# Altium PCB openmv-stm32n.PcbDoc (part 1 of 5) (continued)
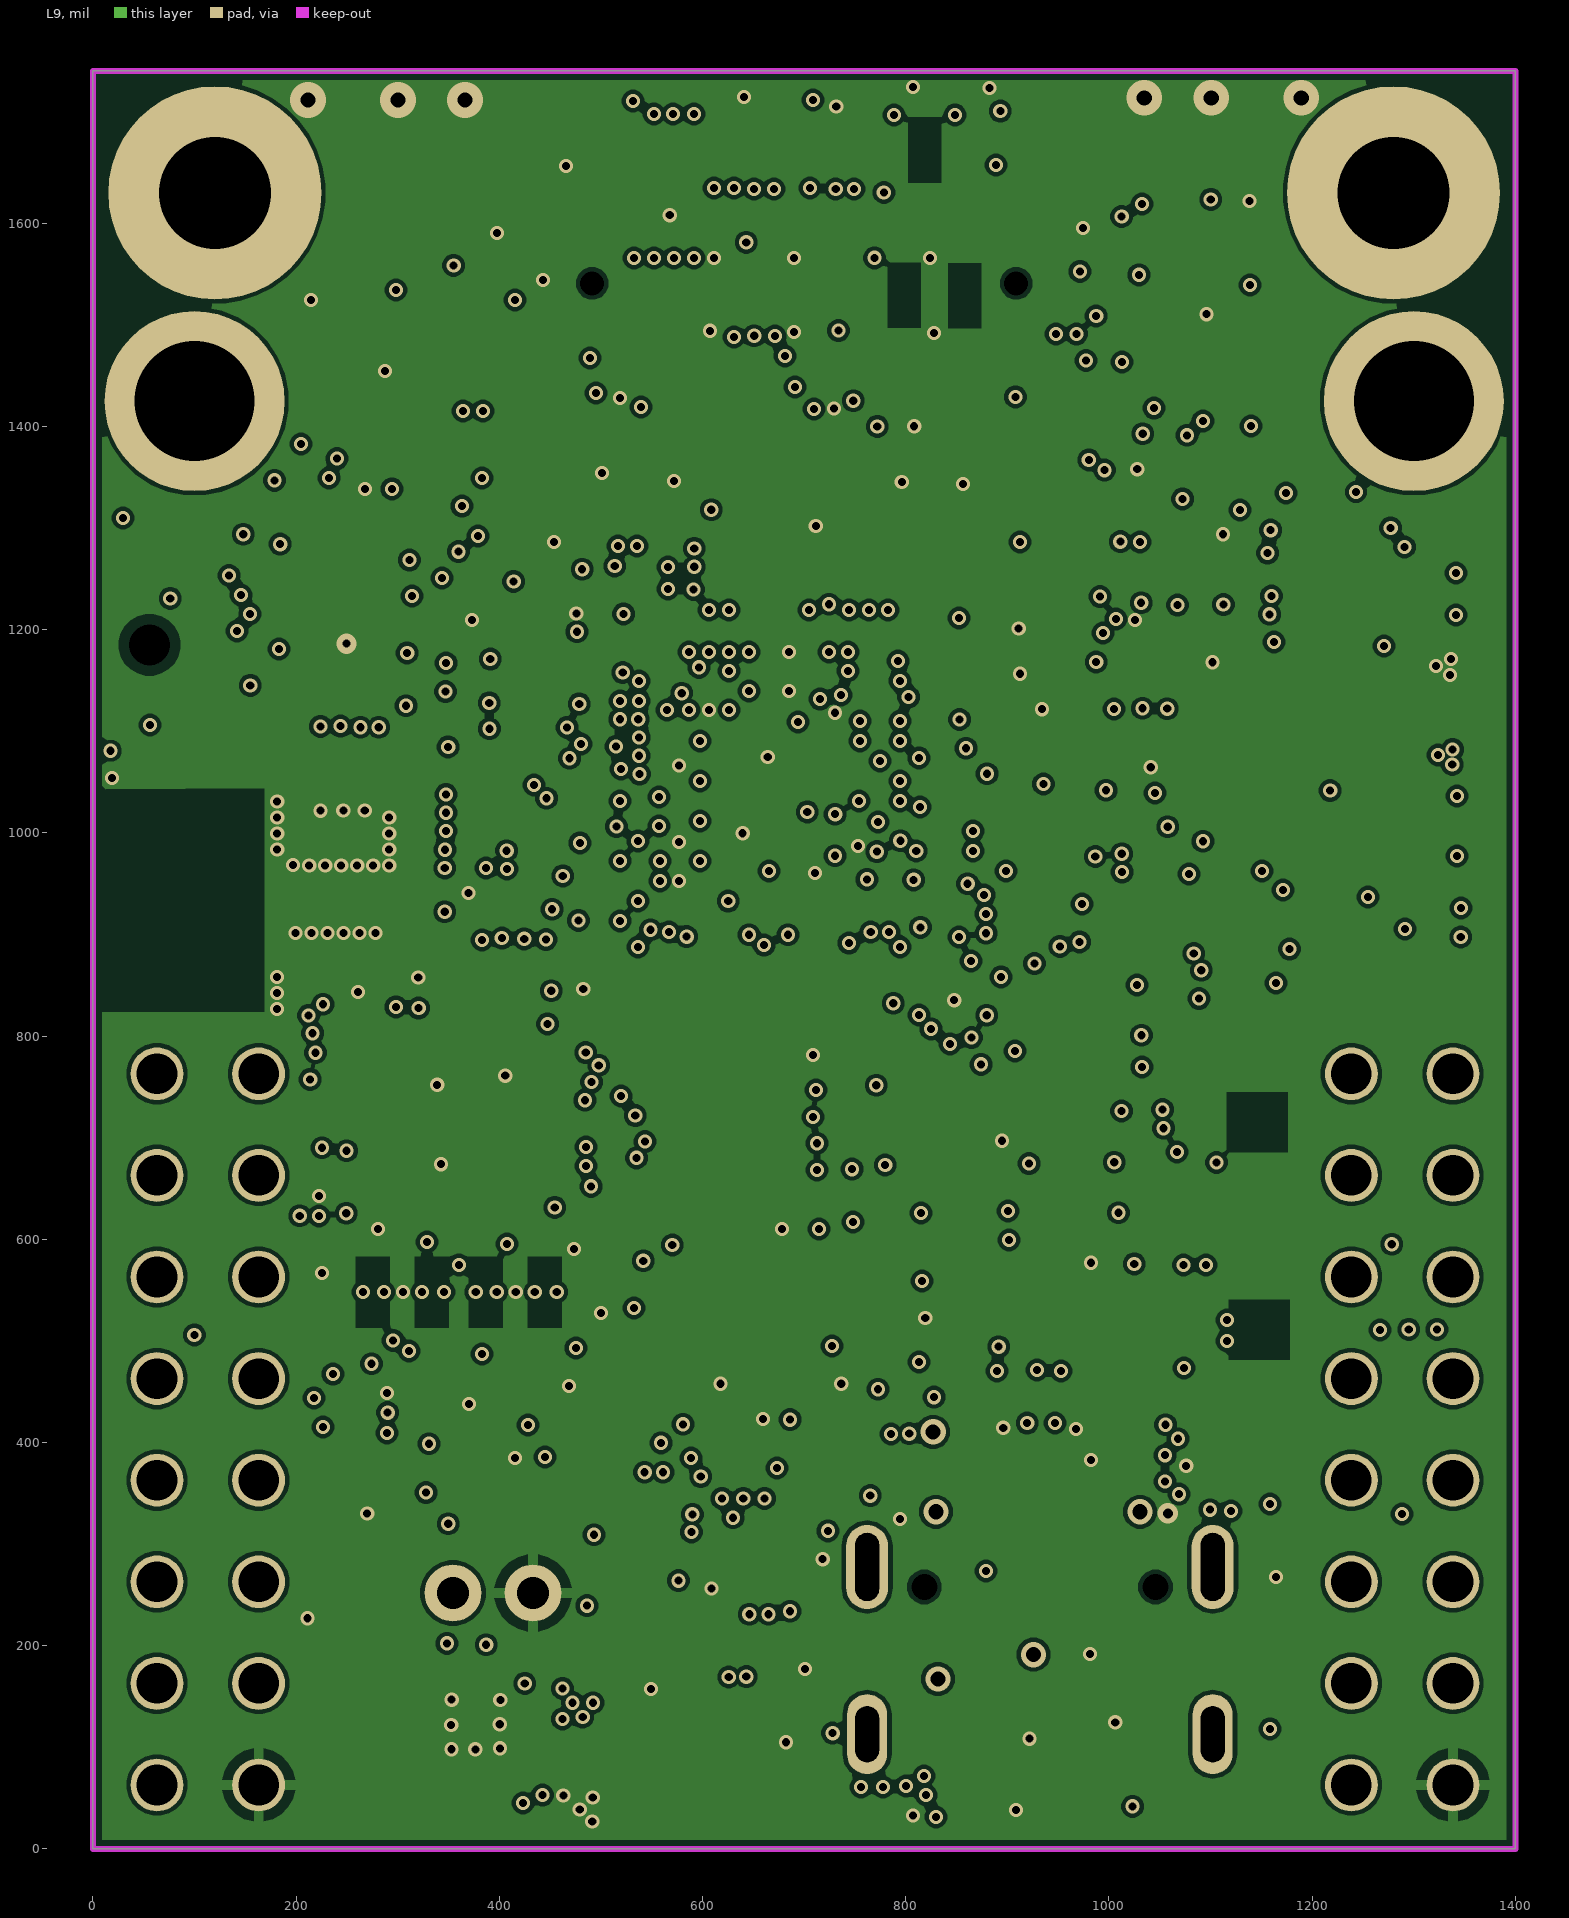
[diagram p9: L9]
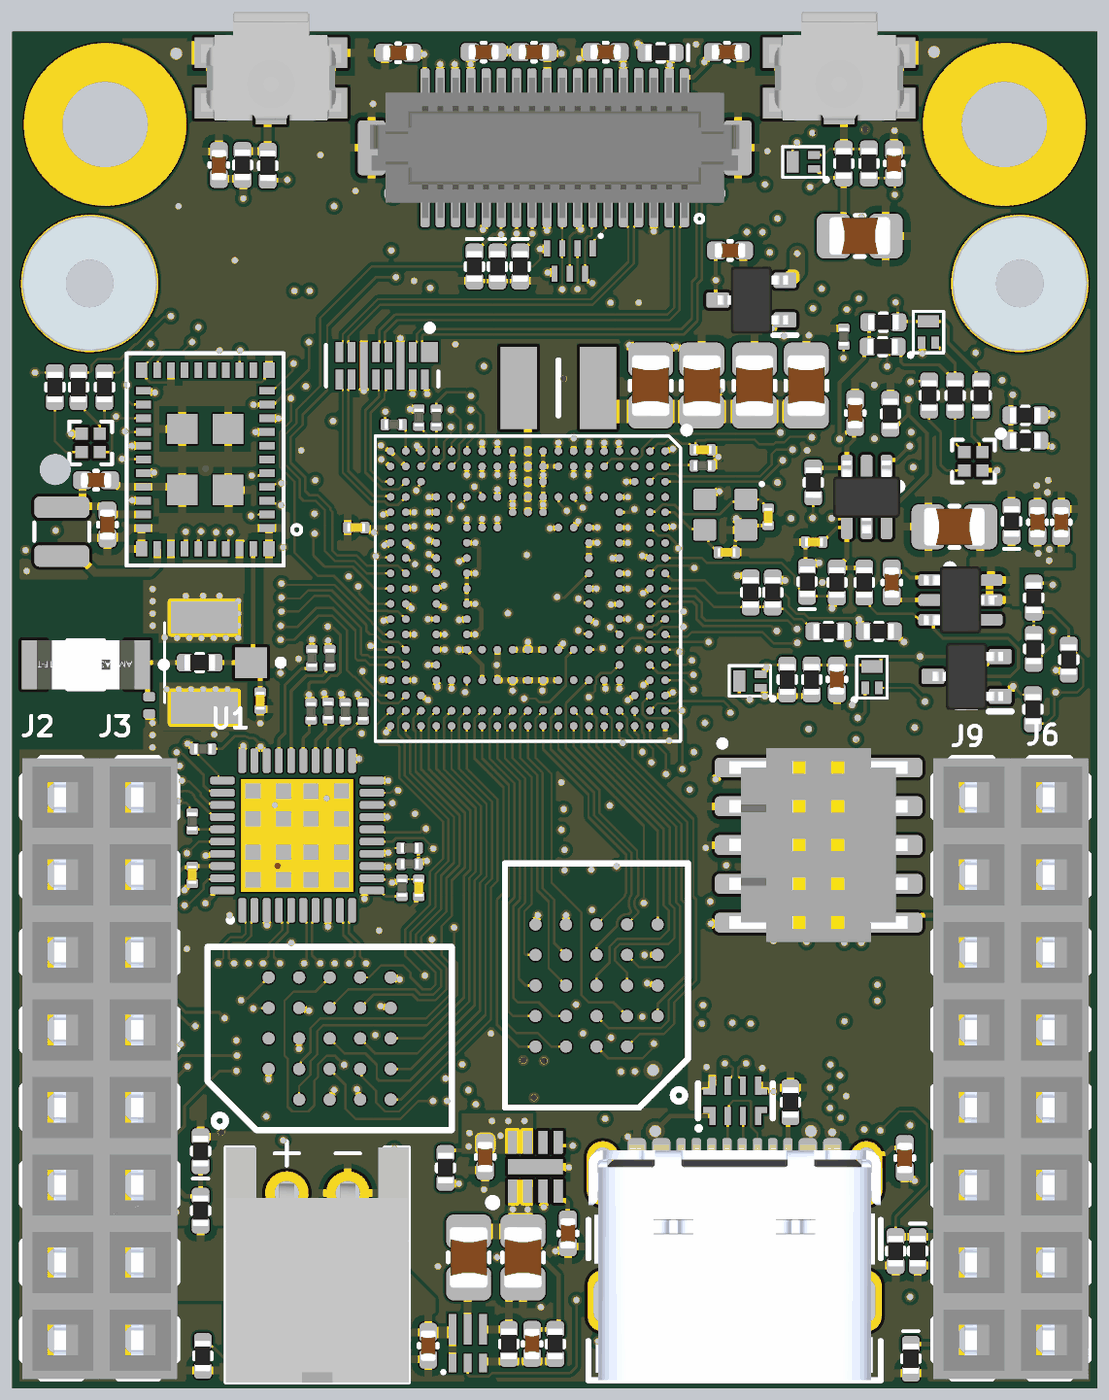
[diagram p14: 3D render of the assembled board from above, using the file's embedded part models]
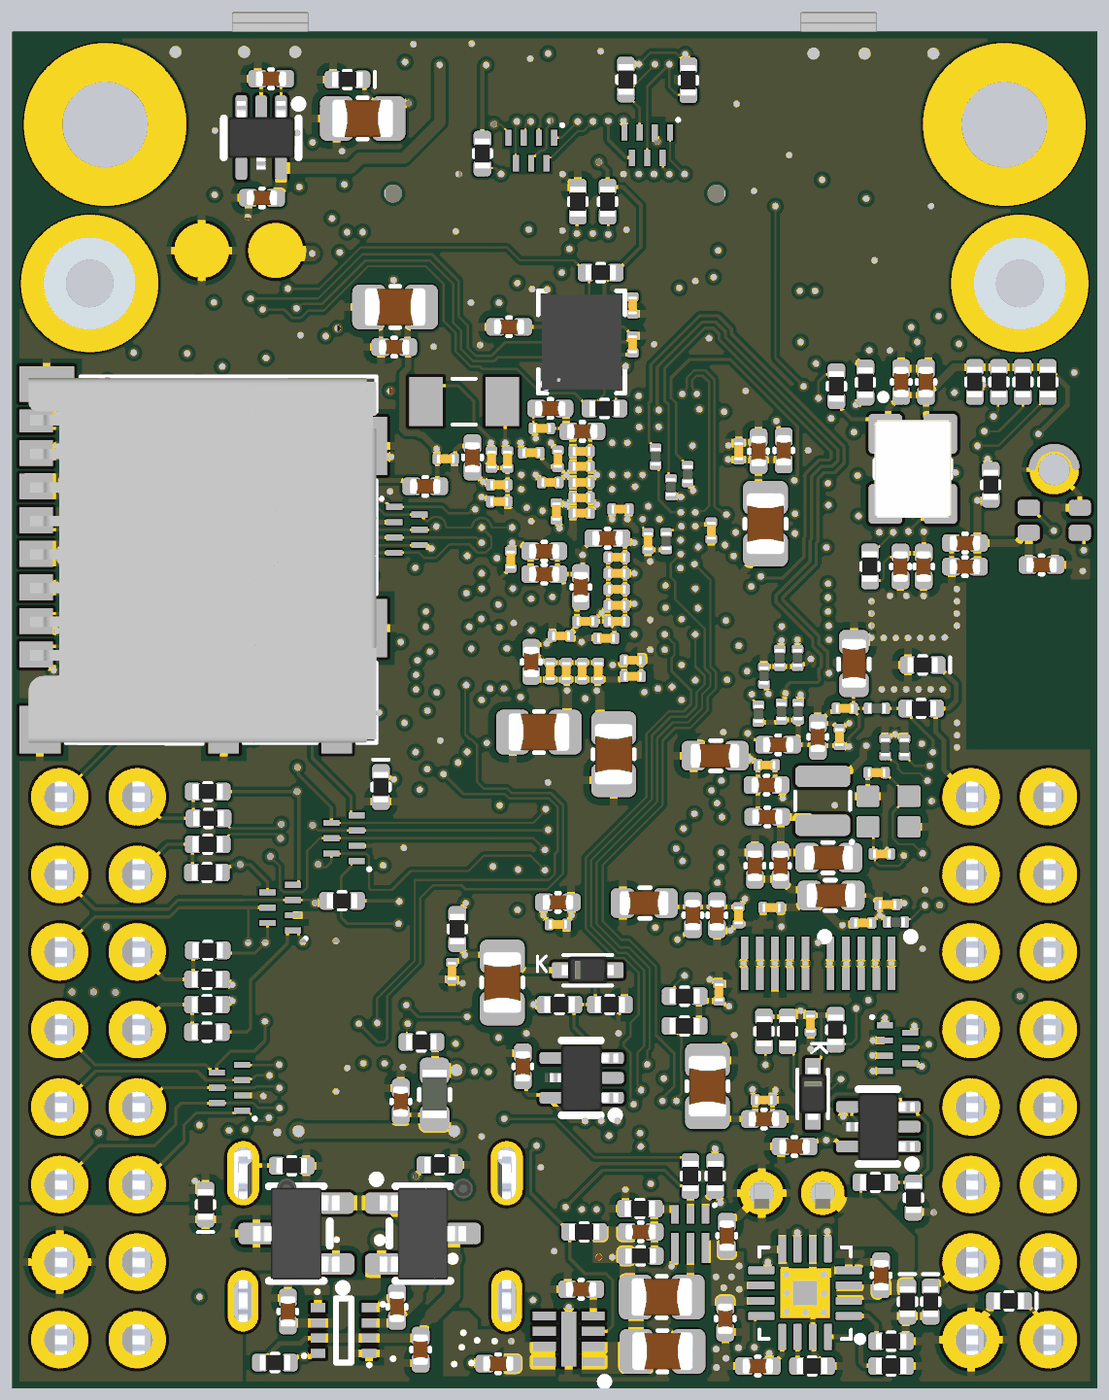
[diagram p15: 3D render of the assembled board from below, using the file's embedded part models]

## Layer stack, top to bottom
Top Solder: solder mask 0.4, Solder Resist, Dk 3.5
Top Layer: signal copper 0.689
Dielectric 1: prepreg 2.8, PP-006, Dk 4.1
L2: signal copper 1.378
Dielectric 2: prepreg 2.8, PP-006, Dk 4.1
L3H: signal copper 1.378
Dielectric 3: prepreg 2.8, PP-006, Dk 4.1
L5Z: signal copper 1.378
Dielectric 4: prepreg 5.5, PP-006, Dk 4.1
L4: signal copper 1.378
Dielectric 5: dielectric 5.9, FR-4, Dk 4.8
L6G: signal copper 1.378
Dielectric 6: prepreg 5.5, PP-006, Dk 4.1
L7P: signal copper 1.378
Dielectric 7: prepreg 2.8, PP-006, Dk 4.1
L8V: signal copper 1.378
Dielectric 8: prepreg 2.8, PP-006, Dk 4.1
L9: signal copper 1.378
Dielectric 9: prepreg 2.8, PP-006, Dk 4.1
Bottom Layer: signal copper 0.689
Bottom Solder: solder mask 0.4, Solder Resist, Dk 3.5

## Board outline
0,0 1400,0 1400,1750 0,1750

## Design rules (kind name [scope] priority, off if disabled: settings)
BoardOutlineClearance [All] p1: gap=9 ignorepadtopadclearanceinfootprint=FALSE
Clearance mcu_bga [IsTrack vs InComponent('U5')] p1: gap=3 ignorepadtopadclearanceinfootprint=FALSE
Clearance [All] p2: gap=4 ignorepadtopadclearanceinfootprint=FALSE
ComponentClearance [All] p1: gap=0 collisioncheckmode=3 verticalgap=0 showdistances=FALSE
DiffPairsRouting [All] p1: maxlimit=15 minlimit=4 mostfreqgap=4 toplayer_minwidth=3 toplayer_maxwidth=4 toplayer_prefwidth=4 midlayer1_minwidth=3 midlayer1_maxwidth=4 midlayer1_prefwidth=4 midlayer2_minwidth=3 midlayer2_maxwidth=4 midlayer2_prefwidth=4 midlayer3_minwidth=3 midlayer3_maxwidth=4 midlayer3_prefwidth=4 midlayer4_minwidth=3 midlayer4_maxwidth=4 midlayer4_prefwidth=4 midlayer5_minwidth=3 midlayer5_maxwidth=4 midlayer5_prefwidth=4 midlayer6_minwidth=3 midlayer6_maxwidth=4 midlayer6_prefwidth=4 midlayer7_minwidth=3 midlayer7_maxwidth=4 midlayer7_prefwidth=4 midlayer8_minwidth=3 midlayer8_maxwidth=4 midlayer8_prefwidth=4 bottomlayer_minwidth=3 bottomlayer_maxwidth=4 bottomlayer_prefwidth=4 maxuncoupledlength=500
PolygonConnect MMICT390200012 [HasFootprint('MMICT390200012')] p1: thpad.connectstyle=NoConnect thpad.reliefconductorwidth=10 thpad.reliefentries=4 thpad.polygonreliefangle="90 Angle" thpad.airgapwidth=10 smdpad.connectstyle=Relief smdpad.reliefconductorwidth=10 smdpad.reliefentries=4 smdpad.polygonreliefangle="90 Angle" smdpad.airgapwidth=10 via.connectstyle=Relief via.reliefconductorwidth=10 via.reliefentries=4 via.polygonreliefangle="90 Angle" via.airgapwidth=10
PolygonConnect [All] p2: thpad.connectstyle=Relief thpad.reliefconductorwidth=10 thpad.reliefentries=4 thpad.polygonreliefangle="90 Angle" thpad.airgapwidth=10 smdpad.connectstyle=Relief smdpad.reliefconductorwidth=10 smdpad.reliefentries=4 smdpad.polygonreliefangle="90 Angle" smdpad.airgapwidth=10 via.connectstyle=Direct via.reliefconductorwidth=10 via.reliefentries=4 via.polygonreliefangle="90 Angle" via.airgapwidth=10
RoutingVias [All] p1: holewidth=8 width=14 viastyle="Through Hole" minholewidth=8 minwidth=14 maxholewidth=15 maxwidth=50
SolderMaskExpansion [All] p1: expansion=4 istentingtop=FALSE
Width [All] p1: maxlimit=100 minlimit=3 preferedwidth=3
28 further rules are at their usual default settings.

## Classes and differential pairs
differential pair class MIPI: MIPI_CSI_CLK MIPI_CSI_CLK_INT MIPI_CSI_D0 MIPI_CSI_D0_INT MIPI_CSI_D1 MIPI_CSI_D1_INT USB_D
net class "RGMII - Place resistors near PHY": ETH_RXCLK ETH_RXCLK_INT ETH_RXD0 ETH_RXD0_INT ETH_RXD1 ETH_RXD1_INT ETH_RXD2 ETH_RXD2_INT ETH_RXD3 ETH_RXD3_INT ETH_RXEN ETH_RXEN_INT
net class "RGMII - Place resistors near MCU": ETH_TXCLK ETH_TXCLK_INT ETH_TXD0 ETH_TXD0_INT ETH_TXD1 ETH_TXD1_INT ETH_TXD2 ETH_TXD2_INT ETH_TXD3 ETH_TXD3_INT ETH_TXEN ETH_TXEN_INT GND
net class "Place resistor near PHY": ETH_CLK_I_INT ETH_CLK_IN_125M
net class DCMI: DCMI_CLK DCMI_D0 DCMI_D1 DCMI_D2 DCMI_D3 DCMI_D4 DCMI_D5 DCMI_D6 DCMI_D7 DCMI_FSIN DCMI_HSYNC DCMI_MISO DCMI_MOSI DCMI_PCLK DCMI_PWDN DCMI_RST DCMI_SCL DCMI_SCLK DCMI_SDA DCMI_SSEL DCMI_VSYNC MIPI_CSI_CLK_N
component class wifi-bt: ANT1 C24 C74 C75 C76 C77 C78 C91 C92 C93 C113 J7 L7 L9 R60 R61 R62 R63 R64 R65 R66 U3 X1
component class usb: C1 C110 FD1 FD2 FD3 FD4 FD5 FD6 FD7 FD8 FL1 J1 L1 M1 M2 P1 P2 P3 P4 R6 R7 R41
component class stm32n657: B15 C13 C14 C15 C25 C70 C71 C72 C73 C79 C80 C81 C82 C83 C84 C85 C86 C87 C88 C89 C90 C94 C95 C96 C97 C100 C101 C102 C103 C104 C105 C106 C107 C108 C109 C111 C112 C114 C115 C116 C118 C119 C120 C121 C122 C123 C124 C125 C126 C127 C128 C129 C130 C132 C134 C136 C137 C138 C140 C142 C143 C144 C146 C147 C148 C149 D9 D11 D22 L5 L13 L14 Q4 Q5 R67 R68 R94 R95 R96 R97 R98 R99 R100 R101 R102 R103 R104 R105 R106 R107 R108 R109 R110 R111 R112 S1 S2 TP1 TP2 U4 U5 U6 U9 U10 Y1 Y2
component class sensor-header: B6 B7 B8 C32 C33 C39 C40 C42 C44 D16 D17 D18 D19 D20 J4 R24 R27 R28 R29 R30 R31 R53 R54
component class sd-card: B3 B4 B5 C35 C36 C37 C47 C48 D6 D12 D15 J5 R23 R25 R26 R32 R33 R34 R35 R36 R37
component class regulators: B1 B2 C21 C22 C23 C27 C28 C29 C30 C31 C38 C41 C51 C52 L2 L3 R3 R8 R13 R15 R16 R17 R18 U11 X2 X3
component class psram: B18 C19 C20 C68 C69 R93
component class prg-flash: C16 C17 C18 C66 C67 Q3 R88 R89 R90 R91 R92 U7
component class jtag: B12 D10 J8
component class io-headers: B9 B10 B11 D4 D5 D7 D8 D13 D14 D21 J2 J3 J6 J9 R38 R39 R40 R44 R45 R46 R47 R48
component class imu: C43 C45 C46 R19 R20 R21 R22 U8
component class ideal-diode: C3 C4 C5 D1 D3 IC1 Q1 Q2 R2 R5 R14
component class ethernet: B13 B14 C2 C6 C7 C11 C12 C49 C50 C53 C54 C55 C56 C57 C58 C59 C60 C61 C62 C63 C64 C65 L6 L8 L10 L11 L12 R49 R50 R51 R52 R55 R56 R57 R58 R59 R69 R70 R71 R72 R73 R74 R75 R76 R77 R78 R79 R80 R81 R82 R83 R84 R85 R86 R87 U1 Y3
component class battery-charging: C8 C9 C10 CN1 D2 R1 R4 R9 R10 R11 R12 R42 R43 U2
differential pair MDI_RX: +MDI_RX_P -MDI_RX_N
differential pair MDI_BI_DD: +MDI_BI_DD_P -MDI_BI_DD_N
differential pair MDI_BI_DC: +MDI_BI_DC_P -MDI_BI_DC_N
differential pair USB_D: +USB_D_P -USB_D_N
differential pair MIPI_CSI_D1: +MIPI_CSI_D1_P -MIPI_CSI_D1_N
differential pair MIPI_CSI_D1_INT: +MIPI_CSI_D1_INT_P -MIPI_CSI_D1_INT_N
differential pair MIPI_CSI_D0: +MIPI_CSI_D0_P -MIPI_CSI_D0_N
differential pair MIPI_CSI_D0_INT: +MIPI_CSI_D0_INT_P -MIPI_CSI_D0_INT_N
differential pair MIPI_CSI_CLK: +MIPI_CSI_CLK_P -MIPI_CSI_CLK_N
differential pair MIPI_CSI_CLK_INT: +MIPI_CSI_CLK_INT_P -MIPI_CSI_CLK_INT_N
differential pair MDI_TX: +MDI_TX_P -MDI_TX_N

## Components (designator, comment, footprint, x,y, rotation, side; value= is the part's Value field where it differs from the comment)
ANT1 "AMCA31-2R450G-S1F-T3" ANTC3216X140N 94.97,933.37 r180 top
B1 "TPS62826DMQR" TPS62826ADMQR 587.75,58.49 r90 top
B2 "TPS62824DMQR" TPS62826ADMQR 525.13,199 r270 bottom
B3 "SN74LVC1G3157DCKR" SOT65P210X110-6N 1102.36,1149.61 r270 top
B4 "TPS22919DCKR" SOT65P210X110-6N 1223.43,1016.73 r0 top
B5 "PUSB3TB6AZ" PUSB3TB6AZ 890.75,1107.28 r180 bottom
B6 "PUSB3TB6AZ" PUSB3TB6AZ 719.49,1453.74 r270 top
B7 "PUSB3TB6AZ" PUSB3TB6AZ 580.71,1603.35 r270 bottom
B8 "PUSB3TB6AZ" PUSB3TB6AZ 730.32,1596.46 r270 bottom
B9 "PUSB3TB6AZ" PUSB3TB6AZ 257.87,438.98 r180 bottom
B10 "PUSB3TB6AZ" PUSB3TB6AZ 1119.56,387.8 r0 bottom
B11 "PUSB3TB6AZ" PUSB3TB6AZ 1054.13,620.08 r0 bottom
B12 "PUSB3TB6AZ" PUSB3TB6AZ 971.85,709.65 r0 bottom
B13 "PUSB3BB4Z" SON50P100X250X50-10N 304.76,548.13 r270 bottom
B14 "PUSB3BB4Z" SON50P100X250X50-10N 415.76,548.13 r270 bottom
B15 "MMICT3902-00-012" MMICT390200012 55.63,1157.17 r90 bottom
B18 "APS256XXN-OBR-BG" 24-TBGA 753.94,519.68 r180 top locked
C1 "10nF" 0402-CAP 898.59,370.08 r90 bottom
C2 "4.7uF" 0402-CAP 490.76,610.28 r90 bottom
C3 "4.7uF" 0402-CAP 903.54,105.32 r270 bottom
C4 "4.7uF" 0402-CAP 873.03,50.2 r90 bottom
C5 "4.7uF" 0402-CAP 1044.29,99.41 r270 bottom
C6 "4.7uF" 0402-CAP 360.59,840.31 r270 bottom
C7 "4.7uF" 0402-CAP 441.76,674.13 r270 bottom
C8 "4.7uF" 0402-CAP 279,146 r270 bottom
C9 "4.7uF" 0402-CAP 438,29 r180 bottom
C10 "4.7uF" 0402-CAP 478,197 r270 bottom
C11 "4.7uF" 0402-CAP 426.76,778.13 r0 bottom
C12 "0.22uF" C0201 524.61,645.67 r270 top
C13 "0.1uF" 0402-CAP 71.85,1062.01 r180 bottom
C14 "0.1uF" 0402-CAP 741.14,415.35 r90 bottom
C15 "0.1uF" 0402-CAP 390.75,312.01 r0 bottom
C16 "0.22uF" C0201 488.19,510.83 r90 bottom
C17 "0.22uF" C0201 370.08,470.47 r270 bottom
C18 "0.22uF" C0201 430.12,372.05 r180 bottom
C19 "0.22uF" C0201 695.87,598.43 r180 bottom
C20 "0.22uF" C0201 832.68,538.39 r270 bottom
C21 "22uF" 0805 659,169 r270 top
C22 "120pF" 0402-CAP 670.75,57.49 r90 top
C23 "4.7uF" 0402-CAP 610.22,298.62 r270 top
C24 "0.1uF" 0402-CAP 253,1298 r90 bottom
C25 "4.7uF" 0402-CAP 266.73,1577.76 r270 top
C27 "0.1uF" 0402-CAP 717,200 r90 top
C28 "4.7uF" 0402-CAP 536.75,55.21 r90 top
C29 "22uF" 0805 561,48 r180 bottom
C30 "120pF" 0402-CAP 589.13,202 r0 bottom
C31 "4.7uF" 0402-CAP 773,32 r0 bottom
C32 "22uF" 0805 947.83,1637.8 r0 bottom
C33 "4.7uF" 0402-CAP 922.24,1723.43 r180 top
C35 "4.7uF" 0402-CAP 1353.35,1117.13 r270 top
C36 "0.1uF" 0402-CAP 1322.83,1117.13 r90 top
C37 "22uF" 0805 1215.55,1111.22 r180 top
C38 "0.1uF" 0402-CAP 666,128 r180 bottom
C39 "4.7uF" 0402-CAP 765.75,1723.43 r0 top
C40 "4.7uF" 0402-CAP 673.23,1723.43 r0 top
C41 "4.7uF" 0402-CAP 480,90 r90 bottom
C42 "4.7uF" 0402-CAP 608.27,1723.43 r180 top
C43 "0.22uF" C0201 599.41,1396.65 r270 bottom
C44 "4.7uF" 0402-CAP 498.03,1722.44 r0 top
C45 "0.22uF" C0201 599.41,1346.46 r90 bottom
C46 "4.7uF" 0402-CAP 758.86,1369.09 r180 bottom
C47 "0.1uF" 0402-CAP 1087.6,1257.87 r270 top
C48 "4.7uF" 0402-CAP 1134.84,1039.37 r270 top
C49 "22uF" 0603-CAP 584.65,625.98 r0 bottom
C50 "0.22uF" C0201 270.67,624.02 r0 bottom
C51 "4.7uF" 0402-CAP 1065.94,1688.98 r180 bottom
C52 "4.7uF" 0402-CAP 1077.76,1535.43 r0 bottom
C53 "0.22uF" C0201 462.76,610.13 r270 bottom
C54 "22uF" 0603-CAP 313.98,935.04 r90 bottom
C55 "0.22uF" C0201 325.79,876.97 r0 bottom
C56 "0.22uF" C0201 332.76,840.13 r90 bottom
C57 "22uF" 0603-CAP 343.5,635.83 r180 bottom
C58 "0.22uF" C0201 302.17,600.39 r180 bottom
C59 "0.22uF" C0201 232.28,662.4 r270 top
C60 "0.22uF" C0201 420.28,620.08 r0 bottom
C61 "22uF" 0603-CAP 493.11,815.94 r0 bottom
C62 "0.22uF" C0201 426.76,804.13 r180 bottom
C63 "22uF" 0603-CAP 346.55,684.45 r180 bottom
C64 "6.8pF" C0201 277.9,689.48 r180 bottom
C65 "6.8pF" C0201 284.74,794.15 r0 bottom
C66 "4.7uF" 0402-CAP 430.12,347.44 r0 bottom
C67 "22uF" 0805 502.95,389.76 r270 bottom
C68 "4.7uF" 0402-CAP 695.87,626.97 r0 bottom
C69 "22uF" 0805 767.72,523.62 r270 bottom
C70 "22uF" 0805 1093.5,1486.22 r180 top
C71 "0.22uF" C0201 633.86,967.52 r180 bottom
C72 "0.22uF" C0201 443.9,1110.24 r0 top
C73 "4.7uF" 0402-CAP 666.34,1033.46 r90 bottom
C74 "0.1uF" 0402-CAP 123,1114 r270 top
C75 "0.1uF" 0402-CAP 170.68,1090.31 r0 bottom
C76 "0.1uF" 0402-CAP 224,1060 r270 bottom
C77 "GRM0335C1H1R5BA01D" CAPC0603X33N 320,887 r270 top
C78 "DNP" C0201-NO-3D 176.76,880.95 r270 top
C79 "3.3pF" C0201 781.5,1197.83 r270 bottom
C80 "3.3pF" C0201 760.83,1197.83 r270 bottom
C81 "0.22uF" C0201 691.93,970.47 r0 bottom
C82 "0.22uF" C0201 620.07,1009.84 r180 bottom
C83 "0.22uF" C0201 660.43,989.17 r180 bottom
C84 "0.22uF" C0201 620.08,1071.85 r180 bottom
C85 "0.22uF" C0201 620.07,1051.18 r180 bottom
C86 "0.22uF" C0201 730.32,1206.69 r180 bottom
C87 "0.22uF" C0201 620.07,1030.51 r180 bottom
C88 "4.7uF" 0402-CAP 926.18,1467.52 r0 top
C89 "0.22uF" C0201 771.65,1165.35 r180 bottom
C90 "0.22uF" C0201 620.08,989.17 r180 bottom
C91 "4.7uF" 0402-CAP 108.27,1171.26 r180 top
C92 "4.7uF" 0402-CAP 170.81,1059.83 r180 bottom
C93 "4.7uF" 0402-CAP 254,1060 r90 bottom
C94 "4.7uF" 0402-CAP 806.1,1200.79 r90 bottom
C95 "4.7uF" 0402-CAP 631.89,1096.46 r180 bottom
C96 "22uF" 0805 720.47,846.46 r180 bottom
C97 "0.22uF" C0201 771.65,1143.7 r180 bottom
C100 "0.22uF" C0201 665.35,1188.98 r0 bottom
C101 "0.22uF" C0201 665.35,1168.31 r0 bottom
C102 "0.22uF" C0201 665.35,1148.62 r0 bottom
C103 "0.22uF" C0201 665.35,1128.94 r0 bottom
C104 "0.22uF" C0201 665.35,1208.66 r0 bottom
C105 "8.2pF" C0201 975.39,1124.02 r270 top
C106 "8.2pF" C0201 921.91,1078.07 r0 top
C107 "22uF" 0805 905.92,1394.69 r180 bottom
C108 "22uF" 0805 428.15,1115.16 r90 bottom
C109 "4.7uF" 0402-CAP 664.37,1234.25 r180 bottom
C110 "1nF" 0402-CAP 1151.57,297.24 r270 top
C111 "22uF" 0805 823.82,1293.31 r270 top
C112 "22uF" 0805 1024.61,1293.31 r270 top
C113 "4.7uF" 0402-CAP 221,1298 r270 bottom
C114 "22uF" 0805 889.76,1293.31 r270 top
C115 "22uF" 0805 957.68,1293.31 r270 top
C116 "0.22uF" C0201 705.71,1168.31 r180 bottom
C118 "0.22uF" C0201 716.54,1238.19 r180 bottom
C119 "0.22uF" C0201 705.71,925.2 r90 bottom
C120 "4.7uF" 0402-CAP 705.71,1263.78 r180 bottom
C121 "0.22uF" C0201 685.04,925.2 r90 bottom
C122 "0.22uF" C0201 643.7,925.2 r90 bottom
C123 "0.22uF" C0201 664.37,925.2 r90 bottom
C124 "0.22uF" C0201 599.41,918.31 r180 bottom
C125 "0.22uF" C0201 599.41,938.98 r180 bottom
C126 "0.22uF" C0201 1034.45,1091.54 r180 top
C127 "0.22uF" C0201 756.89,1068.9 r270 bottom
C128 "4.7uF" 0402-CAP 437.01,1208.66 r90 bottom
C129 "0.22uF" C0201 462.6,1208.66 r90 bottom
C130 "0.22uF" C0201 695.87,1198.82 r90 bottom
C132 "0.22uF" C0201 498.03,1106.3 r270 bottom
C134 "0.22uF" C0201 579.72,1092.52 r270 bottom
C136 "0.22uF" C0201 697.83,1130.91 r90 bottom
C137 "0.22uF" C0201 615.16,1133.86 r0 bottom
C138 "4.7uF" 0402-CAP 907.09,1342.92 r180 bottom
C140 "4.7uF" 0402-CAP 713.58,1050.2 r180 bottom
C142 "22uF" 0805 624.02,817.91 r90 bottom
C143 "4.7uF" 0402-CAP 713.58,1079.72 r180 bottom
C144 "4.7uF" 0402-CAP 730.32,937.01 r90 bottom
C146 "4.7uF" 0402-CAP 1137.8,1579.72 r270 top
C147 "0.22uF" C0201 890.75,1210.63 r180 top
C148 "4.7uF" 0402-CAP 1063.98,914.37 r270 top
C149 "0.22uF" C0201 840.55,1198.82 r0 bottom
CN1 "S2B-PH-K-S(LF)(SN)" JST-PH-2-THM-RA 393.7,251.97 r180 top
D1 "UHD1110-FKA-CL1A13R3Q1BBQFMF3" LED_UHD1110-FKA-CL1A13R3Q1BBQFMF3 1240.16,1195.87 r270 top